# Altium PCB Wireless_Securty_Detector.PcbDoc (part 1 of 2) (continued)
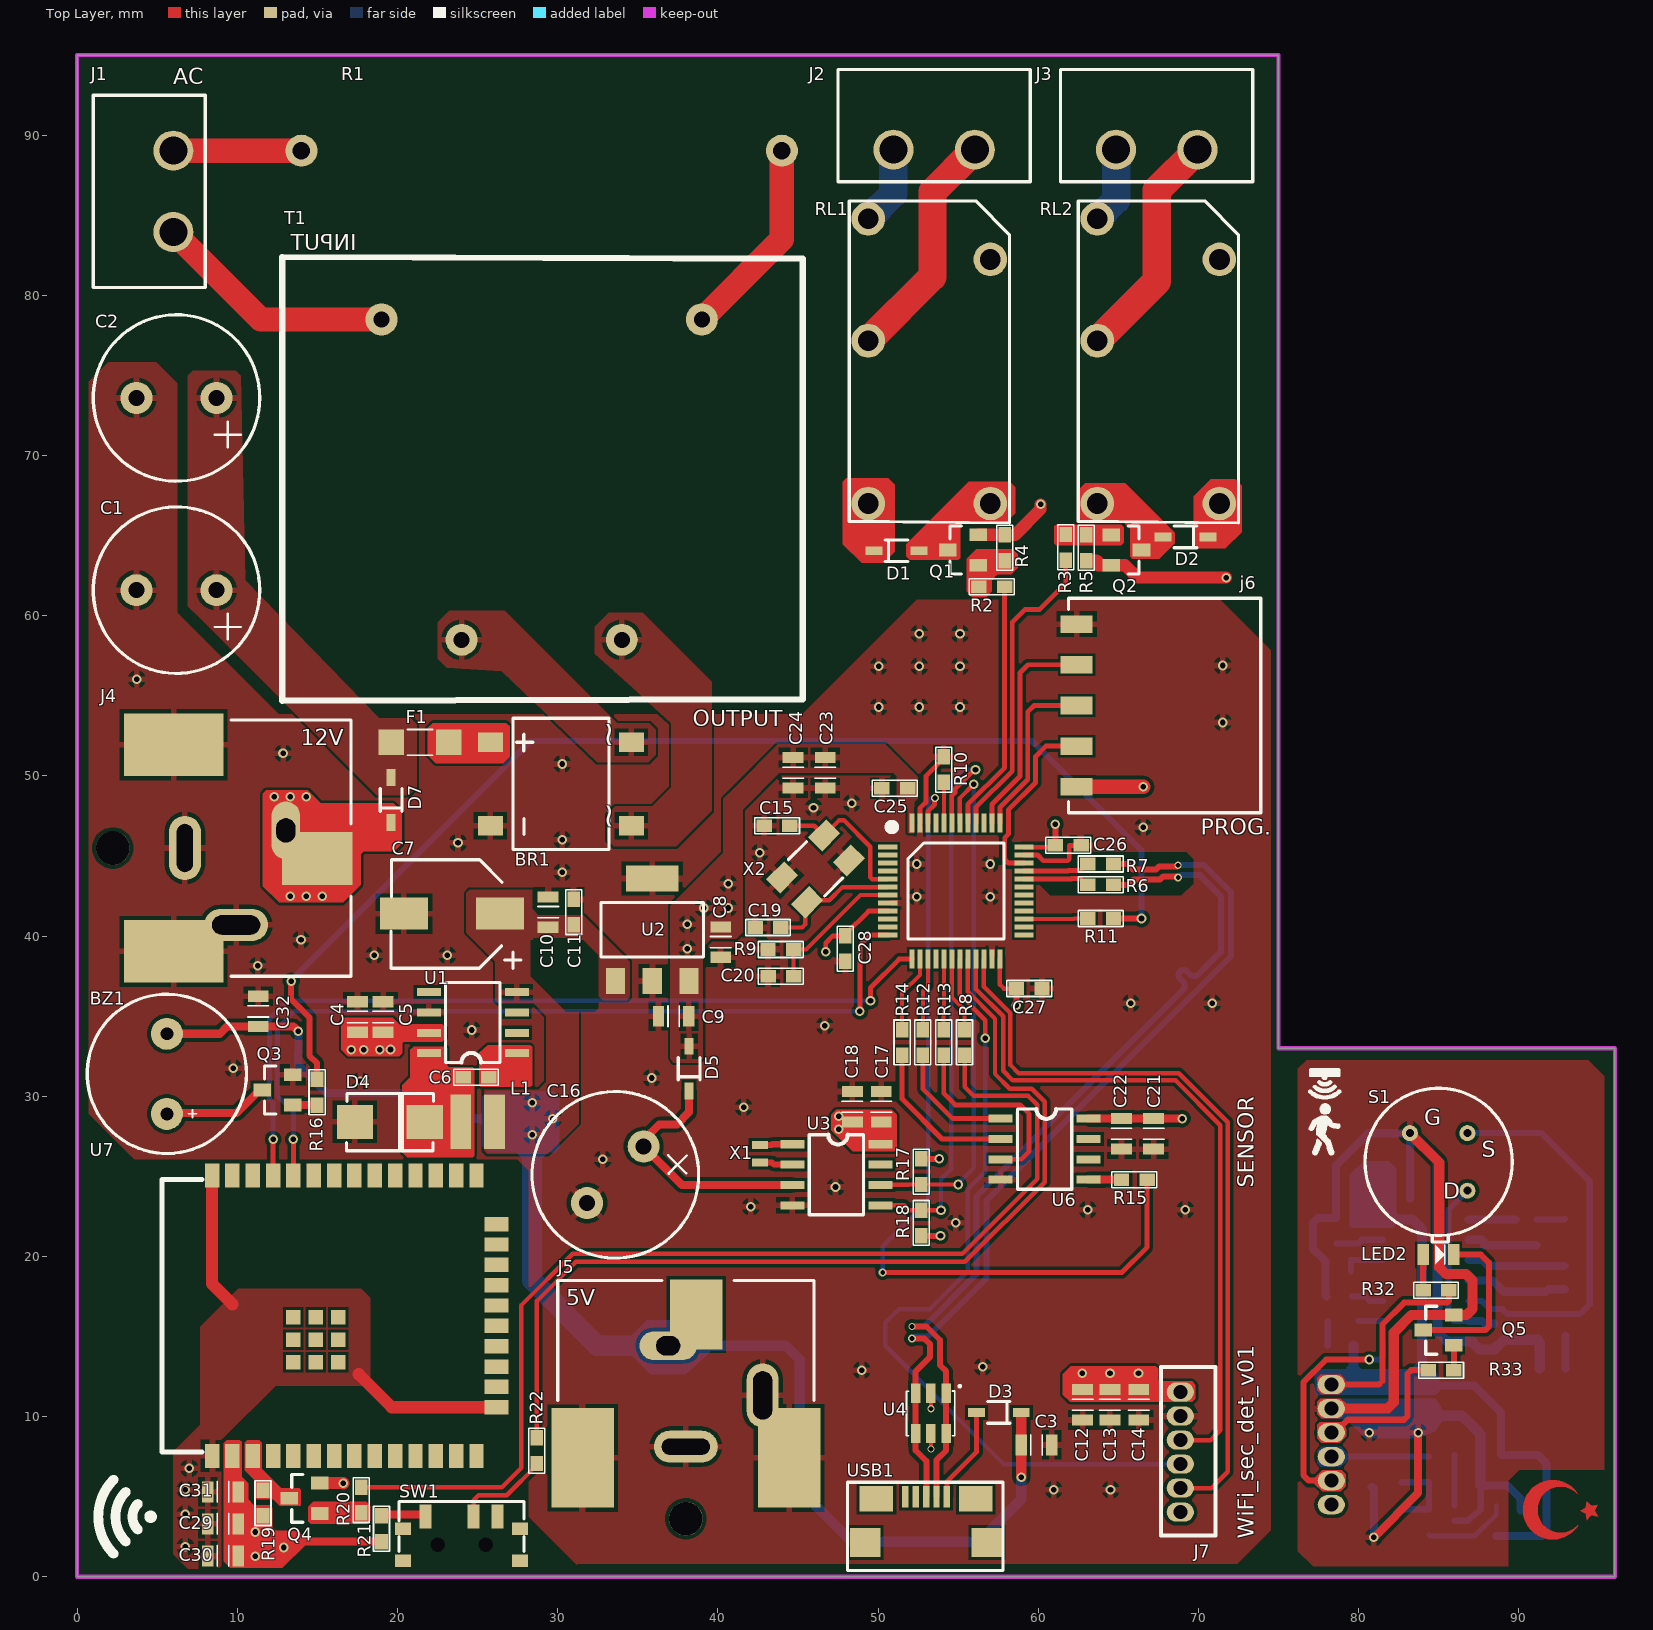
[diagram p0: Top Layer view]
## Design rules (kind name [scope] priority, off if disabled: settings)
Clearance [All] p1: gap=0.229 ignorepadtopadclearanceinfootprint=TRUE except(0: Arc-Text Track-Text SMDPad-Text THPad-Text Via-Text Fill-Text Poly-Text Region-Text Text-Text Text-Hole; 0.152: Fill-Fill Fill-Poly Fill-Region Poly-Poly Poly-Region Region-Region; 0.178: Arc-Arc Arc-Track Arc-SMDPad Arc-Via Track-Track Track-SMDPad Track-Via SMDPad-Fill SMDPad-Poly SMDPad-Region; 0.203: SMDPad-SMDPad SMDPad-THPad THPad-THPad; 0.254: Arc-THPad Track-THPad SMDPad-Via THPad-Via Via-Via)
ComponentClearance [All] p1: gap=0.127 collisioncheckmode=3 verticalgap=0 showdistances=FALSE
DiffPairsRouting [InDifferentialPair('MCU')] p1: maxlimit=0.208 minlimit=0.208 mostfreqgap=0.208 toplayer_minwidth=0.305 toplayer_maxwidth=0.305 toplayer_prefwidth=0.305 bottomlayer_minwidth=0.305 bottomlayer_maxwidth=0.305 bottomlayer_prefwidth=0.305 impedanceprofiledriven=TRUE impedanceprofileid={CCB1626F-C3BD-412C-A6F7-F552CE54325F} impedanceprofilevalue=90.000000 maxuncoupledlength=12.7
DiffPairsRouting DiffPairsRouting_1 [All] p2: maxlimit=0.254 minlimit=0.254 mostfreqgap=0.254 toplayer_minwidth=0.373 toplayer_maxwidth=0.373 toplayer_prefwidth=0.373 bottomlayer_minwidth=0.373 bottomlayer_maxwidth=0.373 bottomlayer_prefwidth=0.373 impedanceprofiledriven=TRUE impedanceprofileid={D9D87044-8D6F-41FB-8336-F3E9161F5D2F} impedanceprofilevalue=90.000000 maxuncoupledlength=12.7
MinimumSolderMaskSliver [All] p1: minsoldermaskwidth=0.127
NetAntennae [All] p1: netantennaetolerance=0.254
PasteMaskExpansion [All] p1: expansion=0.005
PlaneClearance [All] p1: clearance=0.762
PlaneConnect [All] p1: planeconnectstyle=Relief reliefexpansion=0.381 reliefentries=4 reliefconductorwidth=0.381 reliefairgap=0.254
PolygonConnect [All] p1: connectstyle=Relief reliefconductorwidth=0.381 reliefentries=4 polygonreliefangle="90 Angle" airgapwidth=0.254
RoutingCorners [All] p1: cornerstyle=45-Degree minsetback=2.032 maxsetback=2.032
RoutingVias [All] p1: holewidth=0.3 width=0.5 viastyle="Through Hole" minholewidth=0.25 minwidth=0.4 maxholewidth=0.5 maxwidth=1
SMDToCorner [All] p1: distance=10000
SilkToSilkClearance [All] p1 off: silktosilkclearance=0
SilkToSolderMaskClearance [IsPad] p1 off: minsilkscreentomaskgap=0.127 clearancetoexposedcopper=TRUE
SolderMaskExpansion [All] p1: expansion=0.05 istentingtop=FALSE
UnRoutedNet [All] p1: checkbadconnections=TRUE
Width [All] p1: maxlimit=1.778 minlimit=0.203 preferedwidth=0.279 minimp=50.000000 maximp=50.000000 favimp=50.000000
19 further rules are at their usual default settings.

## Classes and differential pairs
component class "Sensor Board": C33 C34 C35 C36 C37 C38 C39 C40 C41 C42 C43 C44 C45 C46 C47 D6 J8 LED1 LED2 Q5 R23 R24 R25 R26 R27 R28 R29 R30 R31 R32 R33 R34 R35 R36 R37 RT1 S1 U8
component class "Power Management": BR1 C1 C2 C3 C4 C5 C6 C7 C8 C9 C10 C11 C12 C13 C14 D1 D2 D3 D4 D7 F1 J1 J2 J3 J4 J5 j6 J7 L1 Q1 Q2 R1 R2 R3 R4 R5 RL1 RL2 T1 U1 U2 USB1
component class MicroController: BZ1 C15 C16 C17 C18 C19 C20 C21 C22 C23 C24 C25 C26 C27 C28 C29 C30 C31 C32 D5 Q3 Q4 R6 R7 R8 R9 R10 R11 R12 R13 R14 R15 R16 R17 R18 R19 R20 R21 R22 SW1 U3 U4 U6 U7 X1 X2
differential pair MCU: +MCU_P -MCU_N
differential pair USB: +USB_P -USB_N

## Components (designator, comment, footprint, x,y, rotation, side; value= is the part's Value field where it differs from the comment)
BR1 "DB105STR" DB105STR 30.2,49.5 r90 top
BZ1 "CMI-9605IC-0580T" CMI-9605IC-0580T 5.6,31.4 r90 top
C1 "ESH477M050AH4AA" CAP_RADIAL_D10_P5 6.2,61.6 r180 top
C2 "ESH477M050AH4AA" CAP_RADIAL_D10_P5 6.2,73.6 r180 top
C3 "CAP_CER_4,7UF_0805" CAP_0805 59.893,8.23 r180 top
C4 "CAP CER 1uF 0805" CAP_0805 17.5,34.95 r270 top
C5 "CAP CER 100nF 0805" CAP_0805 19.1,34.95 r270 top
C6 "CAP CER 10nF 0603" CAP_0603 24.9,31.2 r180 top
C7 "EEV686M035A9HAA" CAP_EEVSERIES 23.4,41.4 r180 top
C8 "CAP_CER_4,7UF_0805" CAP_0805 40.183,39.624 r90 top
C9 "CAP CER 1uF 0805" CAP_0805 37.236,35.001 r0 top
C10 "CAP CER 1uF 0805" CAP_0805 29.4,41.5 r270 top
C11 "C0603C104K5RACTU" CAP_0603 31,41.5 r270 top
C12 "CAP_CER_4,7UF_0805" CAP_0805 62.774,10.737 r90 top
C13 "CAP_CER_4,7UF_0805" CAP_0805 64.474,10.737 r90 top
C14 "CAP CER 1uF 0805" CAP_0805 66.274,10.737 r90 top
C15 "CL10C200JB8NNNC" CAP_0603 43.7,46.9 r0 top
C16 "ESH477M050AH4AA" CAP_RADIAL_D10_P5 33.6,25.1 r225 top
C17 "CAP CER 100nF 0805" CAP_0805 50.2,29.35 r270 top
C18 "CAP CER 1uF 0805" CAP_0805 48.4,29.35 r270 top
C19 "CL10C200JB8NNNC" CAP_0603 43.129,40.538 r0 top
C20 "C0603C104K5RACTU" CAP_0603 43.933,37.491 r180 top
C21 "CAP CER 1uF 0805" CAP_0805 67.208,27.655 r90 top
C22 "CAP CER 100nF 0805" CAP_0805 65.2,27.655 r90 top
C23 "CAP_CER_4,7UF_0805" CAP_0805 46.7,50.2 r90 top
C24 "CAP CER 1uF 0805" CAP_0805 44.7,50.2 r90 top
C25 "C0603C104K5RACTU" CAP_0603 51.041,49.225 r0 top
C26 "C0603C104K5RACTU" CAP_0603 61.874,45.669 r180 top
C27 "C0603C104K5RACTU" CAP_0603 59.436,36.728 r180 top
C28 "C0603C104K5RACTU" CAP_0603 47.955,39.218 r90 top
C29 "CAP_CER_4,7UF_0805" CAP_0805 9.1,3.3 r0 top
C30 "CAP CER 1uF 0805" CAP_0805 9.1,1.3 r0 top
C31 "CAP CER 100nF 0805" CAP_0805 9.1,5.3 r0 top
C32 "CAP CER 100nF 0805" CAP_0805 11.3,35.3 r270 top
C33 "C0603C104K5RACTU" CAP_0603 82.41,23.622 r180 bottom
C34 "CAP CER 1uF 0805" CAP_0805 82.254,25.146 r180 bottom
C35 "CAP CER 10nF 0603" CAP_0603 88.5,21.5 r90 bottom
C36 "C3216X5R1E336M160AC" CAP_1206 92.9,20.9 r90 bottom
C37 "C0603C104K5RACTU" CAP_0603 78.6,21.6 r270 bottom
C38 "CAP_CER_4,7UF_0805" CAP_0805 80.6,11 r90 bottom
C39 "CAP_CER_4,7UF_0805" CAP_0805 82.4,11 r90 bottom
C40 "CAP CER 1uF 0805" CAP_0805 84.2,11 r90 bottom
C41 "CAP CER 10nF 0603" CAP_0603 91,18.6 r90 bottom
C42 "C3216X5R1E336M160AC" CAP_1206 92.9,16.5 r90 bottom
C43 "C0603C104K5RACTU" CAP_0603 88.5,15 r90 bottom
C44 "C0603C104K5RACTU" CAP_0603 91.2,15.6 r90 bottom
C45 "C0603C104K5RACTU" CAP_0603 90.119,3.353 r270 bottom
C46 "CAP_CER_4,7UF_0805" CAP_0805 81.905,4.216 r0 bottom
C47 "CAP CER 1uF 0805" CAP_0805 80.823,6.55 r90 bottom
D1 "1N4148WS" SOD323F 51.156,64.059 r0 top
D2 "1N4148WS" SOD323F 69.2,64.925 r180 top
D3 "1N4148WS" SOD323F 57.543,10.262 r180 top
D4 "1SMB5919BT3G" SMB 19.515,28.4 r180 top
D5 "1N4148WS" SOD323F 38.202,31.722 r90 top
D6 "OPA314AIDBVR" SOT23-5 87.3,3.5 r0 bottom
D7 "1N4148WS" SOD323F 19.6,48.5 r90 top
F1 "FUSE 3413.0216.22" 3413.0216.22 21.4,52.1 r180 top
J1 "TBP01R1-508-02BE" TBP01R1-508 6,86.5 r270 top
J2 "TBP01R1-508-02BE" TBP01R1-508 53.5,89.1 r180 top
J3 "TBP01R1-508-02BE" TBP01R1-508 67.4,89.1 r180 top
J4 "PJ-037AH-SMT-TR" JACK 8.6,45.5 r0 top
J5 "PJ-037AH-SMT-TR" JACK 38,10 r90 top
j6 "SMH-105-02-L-S" PINHEADER1X5_RA 62.4,54.4 r90 top
J7 "64800611622" 64800611622 68.874,7.787 r270 top
J8 "64800611622" 64800611622 78.3,8.25 r270 bottom
L1 "78438335470" IND_1212 25,28.4 r0 top
LED1 "LTST-C171GKT" LED_GREEN_0805 79.05,15.96 r180 bottom
LED2 "LH R974-LP1" LED_RED_0805 84.988,20.117 r180 top
Q1 "MMBT3904-7-F" SOT23-F 55.3,64.109 r90 top
Q2 "MMBT3904-7-F" SOT23-F 65.5,64.1 r270 top
Q3 "MMBT3904-7-F" SOT23-F 12.5,30.4 r90 top
Q4 "MMBT3904-7-F" SOT23-F 14.2,4.9 r90 top
Q5 "MMBT3904-7-F" SOT23-F 85,15.4 r90 top
R1 "5WD27" RES_AXIAL_W 29,89.04 r0 top
R2 "RT0603BRD071KL" RES_0603 57.099,61.824 r180 top
R3 "RT0603BRD071KL" RES_0603 61.722,64.275 r90 top
R4 "RC0603FR-0710KL" RES_0603 57.9,64.25 r270 top
R5 "RC0603FR-0710KL" RES_0603 63,64.25 r90 top
R6 "RC0603FR-1315KL" RES_0603 63.9,43.2 r0 top
R7 "RC0603FR-1315KL" RES_0603 63.9,44.5 r0 top
R8 "RC0603FR-07100KL" RES_0603 55.4,33.36 r270 top
R9 "RC0603FR-07100KL" RES_0603 43.929,39.167 r0 top
R10 "RC0603FR-07100KL" RES_0603 54.102,50.394 r270 top
R11 "RC0603FR-07100KL" RES_0603 63.9,41.1 r0 top
R12 "RC0603FR-07100KL" RES_0603 52.8,33.36 r90 top
R13 "RC0603FR-07100KL" RES_0603 54.1,33.36 r90 top
R14 "RC0603FR-07100KL" RES_0603 51.5,33.36 r90 top
R15 "RC0603FR-07100KL" RES_0603 66,24.8 r0 top
R16 "RC0603FR-07100KL" RES_0603 14.975,30.25 r270 top
R17 "RC0603JR-074K7L" RES_0603 52.71,25.292 r90 top
R18 "RC0603JR-074K7L" RES_0603 52.71,22.092 r270 top
R19 "RT0603BRD071KL" RES_0603 11.6,4.6 r90 top
R20 "RC0603FR-07100KL" RES_0603 17.729,4.788 r270 top
R21 "RC0603FR-07100KL" RES_0603 19,3 r270 top
R22 "RC0603FR-07100KL" RES_0603 28.702,7.874 r270 top
R23 "RC0603JR-07560KL" RES_0603 89.8,21.5 r90 bottom
R24 "RC0603JR-07220KL" RES_0603 80,21.6 r90 bottom
R25 "RC0603FR-0710KL" RES_0603 91.1,21.5 r270 bottom
R26 "RT0603BRD071KL" RES_0603 78.88,14.427 r0 bottom
R27 "RC0603JR-07560KL" RES_0603 89.7,18.6 r90 bottom
R28 "RC0603JR-070RL" RES_0603 78.8,17.5 r0 bottom
R29 "RC0603JR-070RL" RES_0603 78.74,19.05 r0 bottom
R30 "RC0603FR-0710KL" RES_0603 92.113,13.005 r0 bottom
R31 "RC0603JR-0743KL" RES_0603 89.8,15.6 r90 bottom
R32 "RC0603FR-07100KL" RES_0603 84.836,17.882 r0 top
R33 "RT0603BRD071KL" RES_0603 85.153,12.903 r0 top
R34 "RC0603JR-07220KL" RES_0603 84.4,6.7 r90 bottom
R35 "RT0603BRD071KL" RES_0603 84.4,3.4 r90 bottom
R36 "RC0603JR-07220KL" RES_0603 82.7,6.7 r90 bottom
R37 "RC0603FR-0710KL" RES_0603 86.8,5.7 r180 bottom
RL1 "ALQ112" ALQ112 53.2,75.9 r90 top
RL2 "ALQ112" ALQ112 67.5,75.9 r90 top
RT1 "TFPT1206L1002FM" RES_1206 87.45,7.6 r0 bottom
S1 "LHI 878/3902" "LHI 878" 85,25.9 r0 top
SW1 "EG1215AA" EG1215AA 24,2 r0 top
T1 "BV302S12010-ZU" BV302S12010-ZU 29,68.5 r0 top
U1 "LM2675MX-12/NOPB" SOIC8 24.7,34.6 r90 top
U2 "AP7361-33E-13" SOT223 35.9,40.4 r0 top
U3 "M41T00M6F" SOIC8 47.4,25.1 r270 top
U4 "USBLC6-2SC6" SOT-23-6L 53.3,10.2 r270 top
U5 "STM32F103C6T6A" LQFP-48 54.863,42.813 r270 top
U6 "MAX6662" SOIC8 60.4,26.7 r270 top
U7 "ESP32-WROOM-32E (4MB)" ESP32-32E 17.3,16.3 r90 top
U8 "NCS36000DRG" SOIC14 84.2,18.5 r180 bottom
USB1 "10118192-0001LF" MICRO_B_USB 53,5 r0 top
X1 "ABS05-32.768KHZ-T" ABS05 42.621,26.416 r90 top
X2 "ECS-160-20-30B-TR" ECS 46.1,44.2 r45 top

## Footprints (in the part's own frame and the unit in brackets; to place one, negate y for a bottom-side part, rotate by r counter-clockwise, add the part's x,y. Pads: shape width x height; smd on the part's side, far side on the other; paste and mask are expansions set on the pad)
3413.0216.22 [mm]
  rect 1.6x1.6 smd mask+0.05: 1(-1.8,0) 2(1.8,0)
  silkscreen extent -0.8,-0.8 0.8,0.8, body extent -1.6,-0.8 1.6,0.8, height 0.61
64800611622 [mm]
  oval 1.2x1.7 hole 0.87 mask+0.05: 1(-3.75,0) 2(-2.25,0) 3(-0.75,0) 4(0.75,0) 5(2.25,0) 6(3.75,0)
  silkscreen extent -5.3,-1.2 5.2,2.2, body extent -5.25,-1.3 5.25,2.2, height 4.25
ABS05 [mm]
  rect 0.5x1 smd mask+0.05: 1(-0.55,0) 2(0.55,0)
  body extent -0.8,-0.5 0.8,0.5, height 0.5
ALQ112 [mm]
  round 2.1 hole 1.3 mask+0.05: 1(6.35,-3.81) 2(1.27,3.81) 3(8.89,3.81) 4(-8.89,-3.81) 5(-8.89,3.81)
  silkscreen extent -10.1,-5 10,5, body extent -10,-4.98 10,5.02, height 15.6
BV302S12010-ZU [mm]
  round 2 hole 1 mask+0.05: 1(10,10) 5(-10,10) 7(-5,-10) 9(5,-10)
  silkscreen extent -16.2,-13.8 16.3,13.9, body extent -16.25,-13.75 16.25,13.75, height 21.8
CAP_0603 [mil]
  rect 38x31 smd mask+1.97: 1(-31.5,0) 2(31.5,0)
  silkscreen extent -55,-20 55,20, body extent -41,-22 41,18, height 31
CAP_0805 [mm]
  rect 0.7x1.3 smd mask+0.05: 1(-0.95,0) 2(0.95,0)
  silkscreen extent -0.35,-0.65 0.35,0.65, body extent -1.3,-0.68 1.3,0.68, height 0.9
CAP_1206 [mm]
  rect 0.9x1.6 smd mask+0.05: 1(-1.45,0) 2(1.45,0)
  silkscreen extent -0.6,-0.8 0.6,0.8, body extent -1.97,-0.98 1.97,0.98, height 1.3
CAP_EEVSERIES [mm]
  rect 3x2 smd mask+0.05: 1(-3,0) 2(3,0)
  silkscreen extent -4.3,-3.36 3.8,3.4, body extent -3.8,-3.4 3.8,3.4, height 8.06
CAP_RADIAL_D10_P5 [mm]
  round 2 hole 1 mask+0.05: 1(-2.5,0) 2(2.5,0)
  silkscreen extent -5.2,-5.2 5.2,5.2, body extent -5.25,-5.25 5.25,5.25, height 22.2
CMI-9605IC-0580T [mm]
  round 2 hole 0.8 mask+0.05: 1(-2.5,0) 2(2.5,0)
  silkscreen extent -4.97,-4.97 4.97,4.97, body extent -4.84,-4.85 4.76,5.9, height 5.2
DB105STR [mm]
  rect 1.2x1.55 smd mask+0.05: 1(-2.605,-4.4) 2(2.605,-4.4) 3(2.605,4.4) 4(-2.605,4.4)
  silkscreen extent -4.1,-3 4.1,3, body extent -4.16,-5.2 4.16,5.2, height 2.66
ECS [mm]
  rect 1.6x1.25 smd mask+0.05: 1(-1.85,-1.1) 2(1.85,-1.1) 3(1.85,1.1) 4(-1.85,1.1)
  silkscreen extent -0.8,-1.6 0.8,1.6, body extent -2.5,-1.6 2.5,1.6, height 0.85
EG1215AA [mm]
  rect 0.75x1.5 smd mask+0.05: 1(-2.25,1.75) 2(0.75,1.75) 3(2.25,1.75)
  rect 1x0.8 smd mask+0.05: ""(-3.65,-1) ""(-3.65,1) ""(3.65,-1) ""(3.65,1)
  round 0 hole 0.9 mask+0.05: ""(-1.5,0) ""(1.5,0)
  silkscreen extent -3.9,-0.4 3.9,2.7, body extent -3.85,-2.7 3.85,2.2, height 1.4
ESP32-32E [mm]
  rect 1.5x0.9 smd mask+0.05: 1(-8.745,8.88) 2(-8.745,7.61) 3(-8.745,6.34) 4(-8.745,5.07) 5(-8.745,3.8) 6(-8.745,2.53) 7(-8.745,1.26) 8(-8.745,-0.01) 9(-8.745,-1.28) 10(-8.745,-2.55) 11(-8.745,-3.82) 12(-8.745,-5.09) 13(-8.745,-6.36) 14(-8.745,-7.63) 25(8.745,-7.63) 25(8.745,-7.63) 26(8.745,-6.36) 27(8.745,-5.09) 28(8.745,-3.82) 29(8.745,-2.55) 30(8.745,-1.28) 31(8.745,-0.01) 32(8.745,1.26) 33(8.745,2.53) 34(8.745,3.8) 35(8.745,5.07) 36(8.745,6.34) 37(8.745,7.61) 38(8.745,8.88)
  rect 0.9x1.5 smd mask+0.05: 15(-5.715,-8.88) 15(-5.715,-8.88) 16(-4.445,-8.88) 17(-3.175,-8.88) 18(-1.905,-8.88) 19(-0.635,-8.88) 20(0.635,-8.88) 21(1.905,-8.88) 22(3.175,-8.88) 23(4.445,-8.88) 24(5.715,-8.88)
  rect 0.9x0.9 smd mask+0.05: 17(-2.9,3.8) 17(-2.9,1) 17(-2.9,2.4) 17(-1.5,2.4) 17(-1.5,3.8) 17(-1.5,1) 17(-0.1,3.8) 17(-0.1,2.4) 17(-0.1,1)
  silkscreen extent -8.5,9.5 8.5,12, body extent -9.05,-9.16 9.02,16.38, height 3
IND_1212 [mm]
  rect 1.3x3.4 smd mask+0.05: 1(-1.05,0) 2(1.05,0)
  body extent -1.5,-1.5 1.5,1.5, height 1.2
JACK [mm]
  oval 1.8x3.6 hole 1.2 slot 1.5 at 90 deg: 1(4.425,1.1)
  rect 4.4x3.3 smd: 1(6.375,-0.65)
  rect 6.2x3.9 smd: 2(-2.575,6.45) 3(-2.575,-6.45)
  oval 2x4 hole 1 slot 3 at 90 deg: 2(-1.875,0)
  oval 4x2 hole 1.2 slot 3 at 0 deg: 3(1.325,-4.8)
  round 2.1 hole 2.1 unplated: ""(-6.375,0)
  silkscreen extent 1,-8 8.5,8, body extent -9.42,-7.75 7.68,7.45, height 11.1
LED_GREEN_0805 [mm]
  rect 0.7x1.3 smd mask+0.05: 1(-0.95,0) 2(0.95,0)
  silkscreen extent -0.4,-0.6 0.2,0.6, body extent -1.01,-0.63 1.01,0.63, height 1.1
LED_RED_0805 [mm]
  rect 0.7x1.3 smd mask+0.05: 1(-0.95,0) 2(0.95,0)
  silkscreen extent -0.4,-0.6 0.2,0.6, body extent -1.01,-0.63 1.01,0.63, height 1.1
"LHI 878" [mm]
  round 1 hole 0.5 mask+0.05: 1(1.796,-1.796) 2(1.796,1.796) 3(-1.796,1.796)
  silkscreen extent -4.6,-5 4.6,4.6, body extent -4.6,-5.03 4.6,4.6, height 4.6
LQFP-48 [mm] "7mm X 7mm"
  rect 0.3x1.2 smd mask+0.05: 1(-2.75,-4.25) 2(-2.25,-4.25) 3(-1.75,-4.25) 4(-1.25,-4.25) 5(-0.75,-4.25) 6(-0.25,-4.25) 7(0.25,-4.25) 8(0.75,-4.25) 9(1.25,-4.25) 10(1.75,-4.25) 11(2.25,-4.25) 12(2.75,-4.25) 25(2.75,4.25) 26(2.25,4.25) 27(1.75,4.25) 28(1.25,4.25) 29(0.75,4.25) 30(0.25,4.25) 31(-0.25,4.25) 32(-0.75,4.25) 33(-1.25,4.25) 34(-1.75,4.25) 35(-2.25,4.25) 36(-2.75,4.25)
  rect 1.2x0.3 smd mask+0.05: 13(4.25,-2.75) 14(4.25,-2.25) 15(4.25,-1.75) 16(4.25,-1.25) 17(4.25,-0.75) 18(4.25,-0.25) 19(4.25,0.25) 20(4.25,0.75) 21(4.25,1.25) 22(4.25,1.75) 23(4.25,2.25) 24(4.25,2.75) 37(-4.25,2.75) 38(-4.25,2.25) 39(-4.25,1.75) 40(-4.25,1.25) 41(-4.25,0.75) 42(-4.25,0.25) 43(-4.25,-0.25) 44(-4.25,-0.75) 45(-4.25,-1.25) 46(-4.25,-1.75) 47(-4.25,-2.25) 48(-4.25,-2.75)
  silkscreen extent -4.2,-4.2 3,3, body extent -4.45,-4.45 4.55,4.55, height 1.5
MICRO_B_USB [mm]
  rect 0.4x1.35 smd mask+0.05: 1(1.3,0) 2(0.65,0) 3(0,0) 4(-0.65,0) 5(-1.3,0)
  rect 1.9x1.8 smd mask+0.05: ""(-3.8,-2.85) ""(3.8,-2.85)
  rect 2.1x1.6 smd mask+0.05: ""(-3.1,-0.125) ""(3.1,-0.125)
  silkscreen extent -4.9,-4.6 4.8,0.9, body extent -3.96,-5.36 3.96,0.3, height 2.79
PINHEADER1X5_RA [mm]
  rect 1.1x2 smd mask+0.05: 1(-5.08,0) 2(-2.54,0) 3(0,0) 4(2.54,0) 5(5.08,0)
  silkscreen extent -6.7,-11.5 6.7,0.5, body extent -6.6,-11.51 6.6,0.43, height 2.41
RES_0603 [mil]
  rect 38x31 smd mask+1.97: 1(-31.5,0) 2(31.5,0)
  silkscreen extent -55,-20 55,20, body extent -39,-20 39,19, height 17
RES_1206 [mm]
  rect 0.9x1.6 smd mask+0.05: 1(-1.45,0) 2(1.45,0)
  silkscreen extent -0.85,-0.8 0.85,0.8, body extent -1.98,-0.94 1.98,0.94, height 0.55
RES_AXIAL_W [mm]
  round 2 hole 1.1 mask+0.05: 1(-15,0) 2(15,0)
  body extent -15.4,-4.82 15.37,4.83, height 9.65
SMB [mm]
  rect 2.25x2.12 smd mask+0.05: A(2.185,0) C(-2.185,0)
  silkscreen extent -2.73,-1.78 2.7,1.8, body extent -2.7,-1.8 2.7,1.8, height 2.3
SOD323F [mm]
  rect 1.05x0.55 smd mask+0.05: 1(-1.4,0) 2(1.4,0)
  silkscreen extent -0.7,-0.68 0.7,0.68, body extent -1.25,-0.67 1.25,0.67, height 1
SOIC8 [mm]
  rect 0.5x1.5 smd mask+0.05: 1(-1.905,-2.75) 2(-0.635,-2.75) 3(0.635,-2.75) 4(1.905,-2.75) 5(1.905,2.75) 6(0.635,2.75) 7(-0.635,2.75) 8(-1.905,2.75)
  silkscreen extent -2.5,-1.7 2.5,1.7, body extent -2.45,-3 2.45,3, height 1.75
SOIC14 [mm]
  rect 1.18x0.58 smd mask+0.05: 1(-2.66,3.81) 2(-2.66,2.54) 3(-2.66,1.27) 4(-2.66,0) 5(-2.66,-1.27) 6(-2.66,-2.54) 7(-2.66,-3.81) 8(2.66,-3.81) 9(2.66,-2.54) 10(2.66,-1.27) 11(2.66,0) 12(2.66,1.27) 13(2.66,2.54) 14(2.66,3.81)
  silkscreen extent -1.8,-4.3 1.8,4.3, body extent -3,-4.34 3,4.34, height 1.73
SOT23-5 [mm]
  rect 1.1x0.6 smd mask+0.05: 1(-1.3,0.95) 2(-1.3,0) 3(-1.3,-0.95) 4(1.3,-0.95) 5(1.3,0.95)
  silkscreen extent -0.6,-1.3 0.6,1.3, body extent -1.4,-1.45 1.4,1.45, height 1.45
SOT23-F [mm]
  rect 0.8x1.1 smd mask+0.05: 1(-0.95,-0.95) 2(0.95,-0.95) 3(0,0.95)
  silkscreen extent -1.5,0.1 1.49,0.8, body extent -1.5,-1.42 1.5,1.42, height 1.2
SOT223 [mm]
  rect 1.2x1.6 smd mask+0.05: 1(-2.3,-3.2) 2(0,-3.2) 3(2.3,-3.2)
  rect 3.3x1.6 smd mask+0.05: 2(0,3.2)
  silkscreen extent -3.2,-1.7 3.2,1.7, body extent -3.25,-3.48 3.25,3.48, height 1.65
SOT-23-6L [mm]
  rect 1.21x0.59 smd mask+0.05: 1(-1.255,0.95) 2(-1.255,0) 3(-1.255,-0.95) 4(1.255,-0.95) 5(1.255,0) 6(1.255,0.95)
  silkscreen extent -1.75,-1.52 1.41,1.85, body extent -1.4,-1.46 1.4,1.46, height 1.45
TBP01R1-508 [mm]
  round 2.5 hole 1.75 mask+0.05: 1(-2.54,0) 2(2.54,0)
  silkscreen extent -6,-5 6,2, body extent -5.88,-10 5.88,2, height 8.55

## Part data
BR1: "Bridge Rect 1PHASE 600V 1A Db-s", Manufacturer="Sangdest Microelectronics", Manufacturer Part Number=DB105S, Max Current=1A, Operating Voltage=600V, Supplier Part Number 1=1655-DB105SCT-ND, Category=Uncategorized, Desinged by=BERKE, Pricing 1="1=0,42, 10=0,314, 100=0,1957, 500=0,1339 (USD)", RoHS=No, Stock 1=22736, Supplier 1=Digi-Key
BZ1: "Audio Buzzer Magnetic 3VDC 7VDC 30mA 5VDC 85dB 2600Hz to 2800Hz Through Hole Pin Box", Case/Package=CMI-9605IC, Manufacturer="CUI Devices", Supplier Part Number 1=2223-CMI-9605IC-0580T-ND, Category="Audio Products", Desinged by=BERKE, Manufacturer Part Number=CMI-9605IC-0580T, Pricing 1="1=1,43, 10=1,19, 25=1,1016, 50=1,037, 100=0,9745, 500=0,83848, 1000=0,78382, 5000=0,7681 (USD)", RoHS=No, Stock 1=6567, Supplier 1=Digi-Key
C1 C2 C16: library part "CAP ALU ELEC 470.UF 50V", "Cap, 470UF, 50V, Alu Elec, Radial", Capacitance=470uF, Case/Package=Radial, Manufacturer=KEMET, Max Operating Temperature=105°C, Min Operating Temperature=-40°C, Supplier Part Number 1=399-15683-ND, Tolerance=20%, Voltage Rating=50V, ComponentLink1Description=https://api.kemet.com/component-edge/download/datasheet/ESH477M050AH4AA.pdf?src-supplier=Digi-Key, ComponentLink1URL=https://api.kemet.com/component-edge/download/datasheet/ESH477M050AH4AA.pdf?src-supplier=Digi-Key, Desinged by=BERKE, Manufacturer Part Number=ESH477M050AH4AA, Mount="Through Hole", Packaging=Bulk, Pricing 1="1=0,7, 10=0,496, 50=0,3748, 100=0,3264, 500=0,24178, 1000=0,20551, 2500=0,19342, 5000=0,18134 (USD)", RoHS=Yes, RoHS Compliant=Yes, Series=ESH, Stock 1=6765, Supplier 1=Digi-Key
C3 C8 C12 C13 C23 C29 C38 C39 C46: "CAP CER 4.7UF 25V %10 0805", Capacitance=4.7uF, Case Code (Metric)=2012, Case Code (Imperial)=0805, Dielectric=X5R, Manufacturer=Samsung, Manufacturer Part Number=CL21A475KAQNNNE, Max Operating Temperature=85°C, Min Operating Temperature=-55°C, Supplier Part Number 1=1276-1244-1-ND, Tolerance=10%, Voltage Rating=25V, Case/Package=0805, Category="Ceramic Capacitors", ComponentLink1Description=https://datasheet.ciiva.com/25798/cl21a475kaqnnne-25798882.pdf?src-supplier=Digi-Key, ComponentLink1URL=https://datasheet.ciiva.com/25798/cl21a475kaqnnne-25798882.pdf?src-supplier=Digi-Key, Construction=Flat, Depth=1.25mm, Desinged by=BERKE, Height=1.25mm, Lead Free="Lead Free", Length=2mm, Mount="Surface Mount", Packaging="Tape and Reel", Pricing 1="1=0,1, 10=0,073, 50=0,0414, 100=0,0344, 500=0,02408, 1000=0,01994 (USD)", Radiation Hardening=No, RoHS=Yes, RoHS Compliant=Yes, Series=CL, Stock 1=4065249, Supplier 1=Digi-Key, Voltage Rating (DC)=25V
C4 C9 C10 C14 C18 C21 C24 C30 C34 C40 C47: "CAP CER 1UF 50V X7R %10 0805", Capacitance=1uF, Case Code (Metric)=2012, Case Code (Imperial)=0805, Dielectric=X7R, Manufacturer=Samsung, Manufacturer Part Number=CL21B105KBFNNNE, Max Operating Temperature=125°C, Min Operating Temperature=-55°C, Package Quantity=1, Supplier Part Number 1=1276-1029-1-ND, Tolerance=10%, Voltage=50V, Case/Package=0805, Category="Ceramic Capacitors", ComponentLink1Description=https://datasheet.ciiva.com/25800/cl21b105kbfnnne-25800291.pdf?src-supplier=Digi-Key, ComponentLink1URL=https://datasheet.ciiva.com/25800/cl21b105kbfnnne-25800291.pdf?src-supplier=Digi-Key, Construction=Flat, Depth=1.25mm, Desinged by=BERKE, Height=1.25mm, Length=2mm, Mount="Surface Mount", Packaging="Tape and Reel", Pricing 1="1=0,11, 10=0,079, 50=0,045, 100=0,0373, 500=0,02616, 1000=0,02165 (USD)", Radiation Hardening=No, RoHS=Yes, RoHS Compliant=Yes, Series=CL, Stock 1=84626, Supplier 1=Digi-Key, Thickness=0.053inch, Voltage Rating=50V, Width=0.049inch
C5 C17 C22 C31 C32: "CAP CER 0.1UF 50V X7R 0805", Capacitance=100nF, Case Code (Metric)=2012, Case Code (Imperial)=0805, Dielectric=X7R, Manufacturer=Samsung, Manufacturer Part Number=CL21B104KBCNNNC, Max Operating Temperature=125°C, Min Operating Temperature=-55°C, Supplier Part Number 1=1276-1003-1-ND, Tolerance=10%, Voltage=50V, Case/Package=0805, Category="Ceramic Capacitors", ComponentLink1Description=https://datasheet.ciiva.com/25710/cl21b104kbcnnnc-25710182.pdf?src-supplier=Digi-Key, ComponentLink1URL=https://datasheet.ciiva.com/25710/cl21b104kbcnnnc-25710182.pdf?src-supplier=Digi-Key, ComponentLink2Description=https://datasheet.ciiva.com/29199/454152-da-01-en-vs-kondensator-0805-29199814.pdf?src-supplier=Conrad, ComponentLink2URL=https://datasheet.ciiva.com/29199/454152-da-01-en-vs-kondensator-0805-29199814.pdf?src-supplier=Conrad, Construction=Flat, Depth=1.25mm, Desinged by=BERKE, Height=0.85mm, Lead Free="Lead Free", Length=2mm, Material=Ceramic, Mount="Surface Mount", Packaging="Tape and Reel", Pricing 1="1=0,1, 10=0,044, 50=0,024, 100=0,0196, 500=0,01404, 1000=0,01103 (USD)", Radiation Hardening=No, RoHS=Yes, RoHS Compliant=Yes, Series=CL, Stock 1=1331466, Supplier 1=Digi-Key, Thickness=0.037inch, Voltage Rating=50V, Voltage Rating (DC)=50V, Width=0.049inch
C6 C35 C41: "Multilayer Ceramic Capacitor, 0.01 F, 10%, X7R, 16 V, 0603 [1608 Metric] RoHS Compliant: Yes", Capacitance=10nF, Case Code (Metric)=1608, Case Code (Imperial)=0603, Dielectric=X7R, Manufacturer="Walsin Technologies", Manufacturer Part Number=0603B103K160CT, Max Operating Temperature=125°C, Min Operating Temperature=-55°C, Supplier Part Number 1=1292-1384-1-ND, Tolerance=10%, Voltage Rating=16V, Category="Ceramic Capacitors", ComponentLink1Description=http://www.farnell.com/datasheets/1958513.pdf?src-supplier=Farnell, ComponentLink1URL=http://www.farnell.com/datasheets/1958513.pdf?src-supplier=Farnell, ComponentLink2Description=http://www.farnell.com/datasheets/1958513.pdf?src-supplier=Element14, ComponentLink2URL=http://www.farnell.com/datasheets/1958513.pdf?src-supplier=Element14, ComponentLink3Description=http://www.passivecomponent.com/wp-content/uploads/2018/10/MLCC.pdf?src-supplier=Digi-Key, ComponentLink3URL=http://www.passivecomponent.com/wp-content/uploads/2018/10/MLCC.pdf?src-supplier=Digi-Key, Desinged by=BERKE, Packaging="Tape and Reel", Pricing 1="1=0,1, 10=0,033, 50=0,0182, 100=0,0148, 500=0,0106, 1000=0,00833 (USD)", Reach SVHC Compliant=Unknown, RoHS=Yes, RoHS Compliant=Yes, Stock 1=54105, Supplier 1=Digi-Key, Voltage Rating (DC)=16V
C7: library part "CAP ALU 68uF", "Cap Aluminum Lytic 68uF 35V 20% (6.3 X 7.7mm) SMD 280mA 2000h 105C T/R", Capacitance=68uF, Case/Package=Radial, Manufacturer=KEMET, Max Operating Temperature=105°C, Min Operating Temperature=-40°C, Package Quantity=1, Ripple Current=196mA, Supplier Part Number 1=399-6722-1-ND, Tolerance=20%, Voltage Rating=35V, Category="Aluminum Electrolytic Capacitors", ComponentLink1Description=https://datasheet.ciiva.com/5365/kem-a4002-eev-535332-5365784.pdf?src-supplier=Mouser, ComponentLink1URL=https://datasheet.ciiva.com/5365/kem-a4002-eev-535332-5365784.pdf?src-supplier=Mouser, Desinged by=BERKE, Height - Seated (Max)=0.315inch, Length=7.7mm, Manufacturer Part Number=EEV686M035A9HAA, Mount="Surface Mount", Packaging="Tape and Reel", Pricing 1="1=0,64, 10=0,451, 50=0,3414, 100=0,2973, 500=0,22022 (USD)", RoHS=Yes, RoHS Compliant=Yes, Series=EEV, Stock 1=22971, Supplier 1=Digi-Key, Termination=SMD/SMT, Voltage Rating (DC)=35V, Impedance=340mR
C11 C20 C25 C26 C27 C28 C33 C37 C43 C44 C45: library part "CAP CER 100nF 0603", "Multilayer Ceramic Capacitors (MLCC) - SMD/SMT 50volts 0.1uF X7R 10%", Capacitance=100nF, Case/Package=0603, Dielectric=X7R, Manufacturer=KEMET, Max Operating Temperature=125°C, Min Operating Temperature=-55°C, Supplier Part Number 1=399-C0603C104K5RAC7867CT-ND, Tolerance=10%, Voltage=50V, Category="Ceramic Capacitors", Desinged by=BERKE, Length=0.063inch, Manufacturer Part Number=C0603C104K5RACTU, Mount="Surface Mount", Packaging="Tape and Reel", Pricing 1="1=0,11, 10=0,078, 50=0,0424, 100=0,0346, 500=0,02474, 1000=0,01944 (USD)", RoHS=Yes, RoHS Compliant=Yes, Series="SMD Comm X7R", Stock 1=10147790, Supplier 1=Digi-Key, Thickness=0.034inch, Voltage Rating=50V, Width=0.031inch